# Altium PCB WaterSupplyController.PcbDoc (part 1 of 2) (continued)
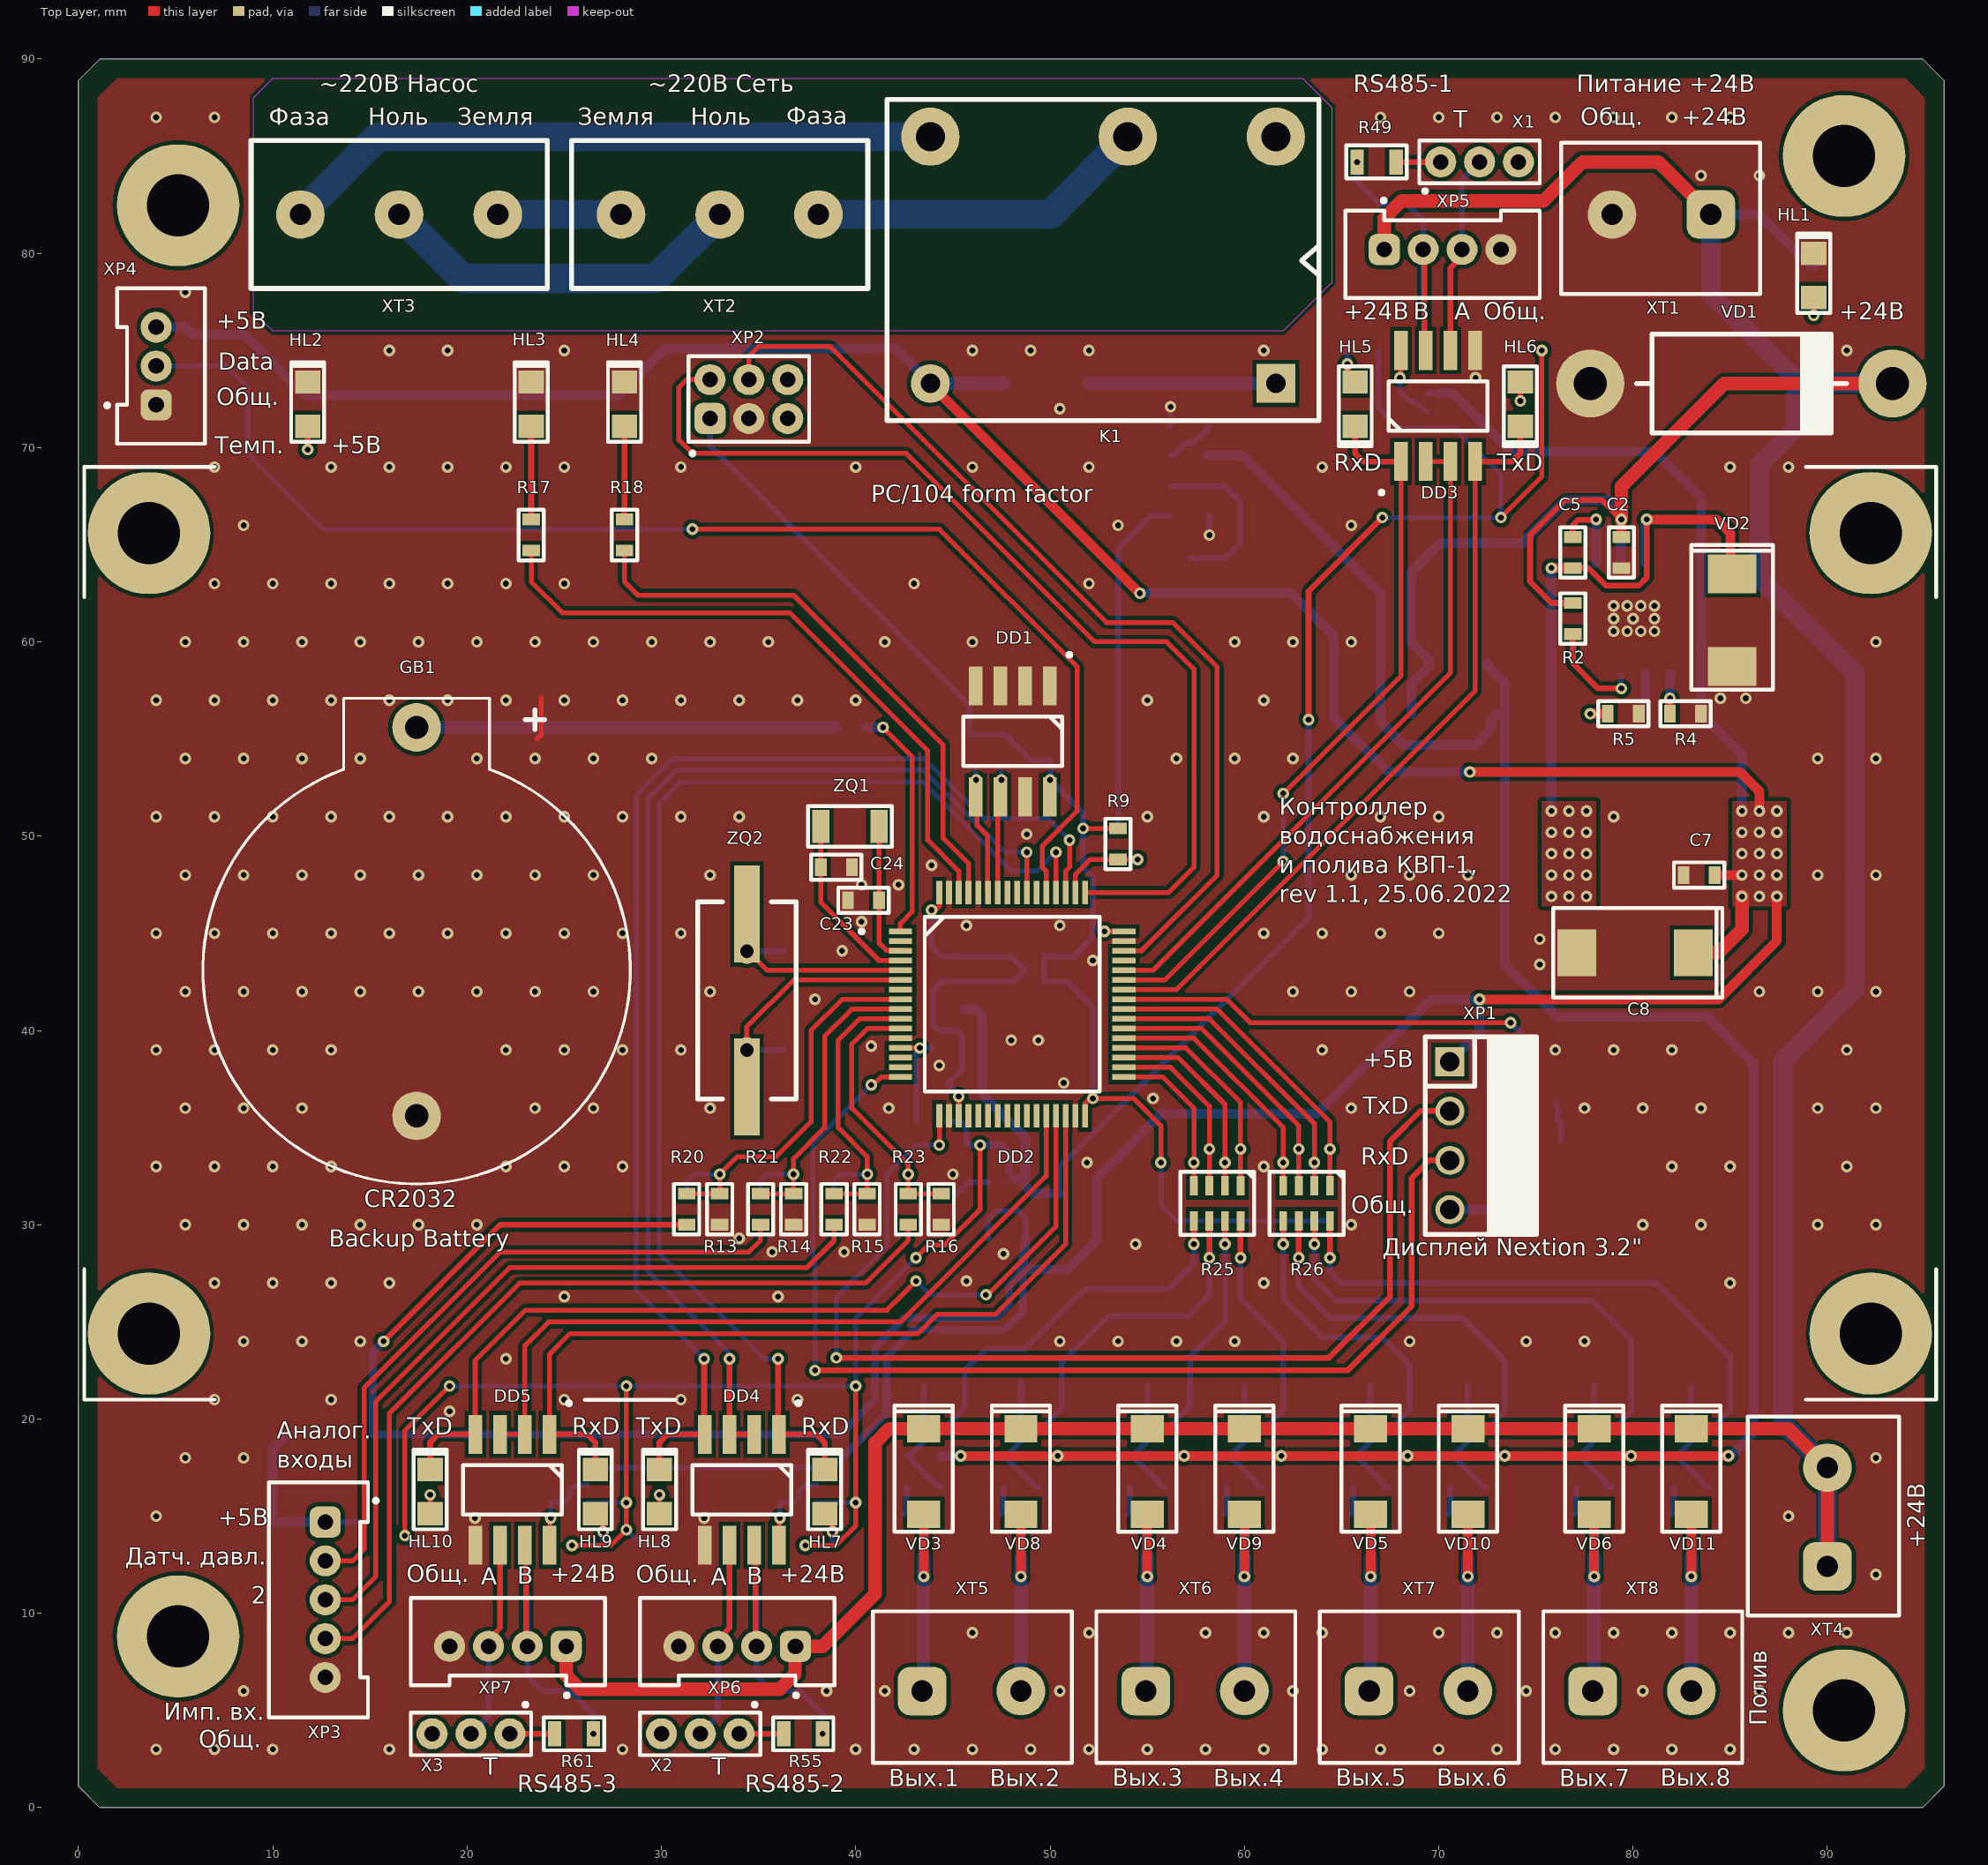
[diagram p0: Top Layer view]
## Components (designator, comment, footprint, x,y, rotation, side; value= is the part's Value field where it differs from the comment)
C1 "22.0x35V" TC7343-D 88.4,73.3 r180 bottom
C2 "C0603" 0603_CAP 79.4,65.4 r270 top value="µ10x50V X7R"
C3 "C0603" 0603_CAP 68.6,56.3 r0 bottom value="µ10x50V X7R"
C4 "C0603" 0603_CAP 73.4,56.3 r180 bottom value="µ10x50V X7R"
C5 "C0603" 0603_CAP 76.9,65.4 r270 top value="10nFx50V X7R"
C6 "C0603" 0603_CAP 80.3,56.3 r180 bottom value="1n8x50V X7R"
C7 "C0603" 0603_CAP 84.2,48 r180 top value="µ10x50V X7R"
C8 "100.0x16V" TC7343-D 83.1,44 r180 top
C9 "C0603" 0603_CAP 46.97,27.7 r0 bottom value="2µ2x10V X7R"
C10 "C0402" 0402_CAP 50.05,53.923 r90 bottom value="µ10x10V X7R"
C11 "C0603" 0603_CAP 45.07,31.6 r270 bottom value="10nFx50V X7R"
C12 "220.0x6.3V" TC6032-C 48.7,43.1 r270 bottom
C13 "C0402" 0402_CAP 52.2,37.3 r180 bottom value="µ10x10V X7R"
C14 "C0603" 0603_CAP 50.47,31.6 r270 bottom value="2µ2x10V X7R"
C15 "C0402" 0402_CAP 44.8,37.3 r180 bottom value="µ10x10V X7R"
C16 "C0402" 0402_CAP 52.2,45.4 r180 bottom value="µ10x10V X7R"
C17 "C0402" 0402_CAP 43.9,45.4 r0 bottom value="µ10x10V X7R"
C18 "C0402" 0402_CAP 43.9,39.1 r0 bottom value="µ10x10V X7R"
C19 "C0603" 0603_CAP 31.3,31.6 r270 bottom value="10nFx50V X7R"
C20 "C0603" 0603_CAP 35.1,31.6 r270 bottom value="10nFx50V X7R"
C21 "C0603" 0603_CAP 38.9,31.6 r270 bottom value="10nFx50V X7R"
C22 "C0603" 0603_CAP 42.7,31.6 r270 bottom value="10nFx50V X7R"
C23 "18pF" 0603_CAP 41.2,46.7 r180 top value="6.8pFx50V NP0"
C24 "18pF" 0603_CAP 38.2,48.4 r0 top value="6.8pFx50V NP0"
C25 "22pF" 0603_CAP 36.3,44.1 r0 bottom value="22pFx50V NP0"
C26 "22pF" 0603_CAP 36.3,39 r0 bottom value="22pFx50V NP0"
C27 "C0402" 0402_CAP 14.8,14.7 r270 bottom value="µ10x10V X7R"
C28 "10.0x16V" TC3216-A 10,14.7 r270 bottom
C29 "C0402" 0402_CAP 68,71.9 r90 bottom value="µ10x10V X7R"
C30 "C0402" 0402_CAP 36.1,16.6 r270 bottom value="µ10x10V X7R" (schematic designator C29)
C31 "C0402" 0402_CAP 24.3,16.6 r270 bottom value="µ10x10V X7R" (schematic designator C29)
DA1 "MP1591DN" HSOP8 78.095,64.057 r270 bottom
DA2 "L78L12ABUTR" SOT-89 71,60.65 r180 bottom
DA3 "TPS79333DBVR" SOT23-5 48.723,29.3 r90 bottom
DD1 "M24M01-DFMN6TP" SO8 49.99,57.738 r270 top
DD2 "STM32F103RCT6" LQFP64 42.3,45.1 r0 top
DD3 "ADM485AR" SO8 68.06,69.285 r90 top value=SN65HVD485EDR
DD4 "ADM485AR" SO8 36.04,19.215 r270 top value=SN65HVD485EDR (schematic designator DD3)
DD5 "ADM485AR" SO8 24.24,19.215 r270 top value=SN65HVD485EDR (schematic designator DD3)
GB1 "KLS5-CR2032-03 + Battery CR2032" CR2032P 17.4,55.6 r180 top value=KLS5-CR2032-03
HL1 "KP-2012SYC" KP-2012_YEL 89.3,77.725 r90 top
HL2 "KP-2012MGC" KP-2012_GRN 11.798,71.1 r90 top
HL3 "KP-2012SYC" KP-2012_YEL 23.3,71.1 r90 top
HL4 "KP-2012SYC" KP-2012_YEL 28.1,71.1 r90 top
HL5 "KP-2012MGC" KP-2012_GRN 65.7,73.375 r270 top
HL6 "KP-2012SYC" KP-2012_YEL 74.2,73.375 r270 top
HL7 "KP-2012MGC" KP-2012_GRN 38.4,15.125 r90 top (schematic designator HL5)
HL8 "KP-2012SYC" KP-2012_YEL 29.9,15.125 r90 top (schematic designator HL6)
HL9 "KP-2012MGC" KP-2012_GRN 26.6,15.125 r90 top (schematic designator HL5)
HL10 "KP-2012SYC" KP-2012_YEL 18.1,15.125 r90 top (schematic designator HL6)
K1 "TRV-5VDC-SC-CD" TRV-5VDC-SC-CD 61.62,73.3 r180 top
L1 "22µH CDRH124NP-220MC" CDRH124 76.7,49.1 r270 bottom
L2 "BLM18PG" 0603_BLM18 45.6,41.1 r180 bottom value="470R BLM18PG471SN1D"
L3 "BLM18PG" 0603_BLM18 44.7,35.3 r180 bottom value="470R BLM18PG471SN1D"
L4 "100µH LQH43CN101K" LQH43 10.7,19.2 r0 bottom
R1 "15k00" 0603_RES 89.3,77.725 r90 bottom
R2 "100k00" 0603_RES 76.9,62 r270 top
R3 "R0603" 0603_RES 81.9,56.3 r0 bottom value=30k10
R4 "R0603" 0603_RES 81.9,56.3 r0 top value=10k00
R5 "R0603" 0603_RES 78.7,56.3 r0 top value=8k20
R6 "R0603" 0603_RES 11.798,72.7 r270 bottom value=1k50
R7 "4k7 CAT16-472J4" CAT16#1 57.4,32 r270 bottom
R8 "4k7 CAT16-472J4" CAT16#1 62,32 r270 bottom
R9 "5k11" 0603_RES 53.5,48.8 r90 top
R10 "k10" 0603_RES 40.5,55.6 r180 bottom
R11 "R0603" 0603_RES 47.55,53.623 r90 bottom value=3k3
R12 "R0603" 0603_RES 45.85,53.623 r90 bottom value=3k3
R13 "R0603" 0603_RES 33,31.6 r270 top value=5k11
R14 "R0603" 0603_RES 36.8,31.6 r270 top value=5k11
R15 "R0603" 0603_RES 40.584,31.6 r270 top value=5k11
R16 "R0603" 0603_RES 44.4,31.6 r270 top value=5k11
R17 "R0603" 0603_RES 23.3,64.7 r90 top value=1k
R18 "R0603" 0603_RES 28.1,64.7 r90 top value=1k
R19 "k10" 0603_RES 74.376,36.285 r0 bottom
R20 "R0603" 0603_RES 31.3,30 r90 top value=6k19
R21 "R0603" 0603_RES 35.1,30 r90 top value=6k19
R22 "R0603" 0603_RES 38.884,30 r90 top value=6k19
R23 "R0603" 0603_RES 42.7,30 r90 top value=6k19
R24 "5k11" 0603_RES 53.5,48.8 r90 bottom
R25 "4k7 CAT16-472J4" CAT16#2 59.8,32 r270 top
R26 "4k7 CAT16-472J4" CAT16#1 64.4,32 r270 top
R27 "15k00" 0603_RES 58.1,69.6 r270 bottom
R28 "15k00" 0603_RES 44.4,18.1 r270 bottom
R29 "15k00" 0603_RES 55.9,18.1 r270 bottom
R30 "15k00" 0603_RES 67.4,18.1 r270 bottom
R31 "15k00" 0603_RES 78.9,18.1 r270 bottom
R32 "5k11" 0603_RES 56.2,69.6 r270 bottom
R33 "5k11" 0603_RES 42.6,16.5 r90 bottom
R34 "5k11" 0603_RES 54.1,16.5 r90 bottom
R35 "5k11" 0603_RES 65.6,16.5 r90 bottom
R36 "5k11" 0603_RES 77.1,16.5 r90 bottom
R37 "15k00" 0603_RES 49.4,18.1 r270 bottom
R38 "15k00" 0603_RES 60.9,18.1 r270 bottom
R39 "15k00" 0603_RES 72.4,18.1 r270 bottom
R40 "15k00" 0603_RES 83.9,18.1 r270 bottom
R41 "5k11" 0603_RES 47.6,16.5 r90 bottom
R42 "5k11" 0603_RES 59.1,16.5 r90 bottom
R43 "5k11" 0603_RES 70.6,16.5 r90 bottom
R44 "5k11" 0603_RES 82.1,16.5 r90 bottom
R45 "5k11" 0603_RES 6.1,74.2 r90 bottom
R46 "R0603" 0603_RES 66.9,75 r180 bottom value=1k
R47 "R0603" 0603_RES 74.2,75 r270 bottom value=1k
R48 "R0805" 0805_RES 66.85,84.692 r0 bottom value=240R00
R49 "R0805" 0805_RES 66.8,84.7 r0 top value=240R00
R50 "0R" 0402_RES 69.4,71.9 r270 bottom
R51 "0R" 0402_RES 69.4,71.9 r90 bottom
R52 "R0603" 0603_RES 37.2,13.5 r0 bottom value=1k (schematic designator R46)
R53 "R0603" 0603_RES 29.9,13.5 r90 bottom value=1k (schematic designator R47)
R54 "R0805" 0805_RES 37.25,3.808 r180 bottom value=240R00 (schematic designator R48)
R55 "R0805" 0805_RES 37.3,3.8 r180 top value=240R00 (schematic designator R49)
R56 "0R" 0402_RES 38,16.6 r270 bottom (schematic designator R50)
R57 "0R" 0402_RES 38,16.6 r90 bottom (schematic designator R51)
R58 "R0603" 0603_RES 25.4,13.5 r0 bottom value=1k (schematic designator R46)
R59 "R0603" 0603_RES 18.1,13.5 r90 bottom value=1k (schematic designator R47)
R60 "R0805" 0805_RES 25.45,3.808 r180 bottom value=240R00 (schematic designator R48)
R61 "R0805" 0805_RES 25.5,3.8 r180 top value=240R00 (schematic designator R49)
R62 "0R" 0402_RES 26.2,16.6 r270 bottom (schematic designator R50)
R63 "0R" 0402_RES 26.2,16.6 r90 bottom (schematic designator R51)
VD1 "P1.5KE24A" DO-201AD 77.8,73.3 r180 top
VD2 "STPS3L60U" SMB-STPS3L60U 85.1,58.737 r90 top
VD3 "ES1D" SMA 43.5,15.1 r90 top
VD4 "ES1D" SMA 55,15.1 r90 top
VD5 "ES1D" SMA 66.5,15.1 r90 top
VD6 "ES1D" SMA 78,15.1 r90 top
VD7 "ES1D" SMA 52,73.3 r180 bottom
VD8 "ES1D" SMA 48.5,15.1 r90 top
VD9 "ES1D" SMA 60,15.1 r90 top
VD10 "ES1D" SMA 71.5,15.1 r90 top
VD11 "ES1D" SMA 83,15.1 r90 top
VD12 "GSOT12-E3-08" SOT-23-(2) 66.99,76.484 r90 bottom value=GSOT12C
VD13 "GSOT12-E3-08" SOT-23-(2) 72.81,78.516 r270 bottom value=GSOT12C
VD14 "GSOT12-E3-08" SOT-23-(2) 37.11,12.016 r270 bottom value=GSOT12C (schematic designator VD12)
VD15 "GSOT12-E3-08" SOT-23-(2) 31.29,9.984 r90 bottom value=GSOT12C (schematic designator VD13)
VD16 "GSOT12-E3-08" SOT-23-(2) 25.31,12.016 r270 bottom value=GSOT12C (schematic designator VD12)
VD17 "GSOT12-E3-08" SOT-23-(2) 19.49,9.984 r90 bottom value=GSOT12C (schematic designator VD13)
VT1 "MMBF170Q-7-F" "SOT-23 MOSFET" 76.276,34.285 r270 bottom
VT2 "MMBF170Q-7-F" "SOT-23 MOSFET" 56.184,66.51 r0 bottom
VT3 "MMBF170Q-7-F" "SOT-23 MOSFET" 44.516,19.49 r180 bottom
VT4 "MMBF170Q-7-F" "SOT-23 MOSFET" 56.016,19.49 r180 bottom
VT5 "MMBF170Q-7-F" "SOT-23 MOSFET" 67.516,19.49 r180 bottom
VT6 "MMBF170Q-7-F" "SOT-23 MOSFET" 79.016,19.49 r180 bottom
VT7 "AO3400A" "SOT-23 MOSFET" 58.216,71.09 r180 bottom
VT8 "AO3400A" "SOT-23 MOSFET" 42.484,15.11 r0 bottom
VT9 "AO3400A" "SOT-23 MOSFET" 53.984,15.11 r0 bottom
VT10 "AO3400A" "SOT-23 MOSFET" 65.484,15.11 r0 bottom
VT11 "AO3400A" "SOT-23 MOSFET" 76.984,15.11 r0 bottom
VT12 "MMBF170Q-7-F" "SOT-23 MOSFET" 49.516,19.49 r180 bottom
VT13 "MMBF170Q-7-F" "SOT-23 MOSFET" 61.016,19.49 r180 bottom
VT14 "MMBF170Q-7-F" "SOT-23 MOSFET" 72.516,19.49 r180 bottom
VT15 "MMBF170Q-7-F" "SOT-23 MOSFET" 84.016,19.49 r180 bottom
VT16 "AO3400A" "SOT-23 MOSFET" 47.484,15.11 r0 bottom
VT17 "AO3400A" "SOT-23 MOSFET" 58.984,15.11 r0 bottom
VT18 "AO3400A" "SOT-23 MOSFET" 70.484,15.11 r0 bottom
VT19 "AO3400A" "SOT-23 MOSFET" 81.984,15.11 r0 bottom
X1 "DS1025-01-1*3 P8BV1" PLS2-3 70.1,84.7 r0 top
X2 "DS1025-01-1*3 P8BV1" PLS2-3 34,3.8 r180 top (schematic designator X1)
X3 "DS1025-01-1*3 P8BV1" PLS2-3 22.2,3.8 r180 top (schematic designator X1)
XP1 "DS1022-1*4RDF11-B" PLS-4RR 70.576,34.585 r270 top
XP2 "PLD2-6" PLD2-6 32.5,71.5 r0 top value=DS1025-05-2*3P8BV1-B
XP3 "PH-5" PH-5 12.7,14.7 r90 top value=B5B-PH-K-S(LF)(SN)
XP4 "PH-3" PH-3 4,72.2 r270 top value=B3B-PH-K-S(LF)(SN)
XP5 "PH-4" PH-4 67.2,80.2 r180 top value=B4B-PH-K-S(LF)(SN)
XP6 "PH-4" PH-4 36.9,8.3 r0 top value=B4B-PH-K-S(LF)(SN) (schematic designator XP5)
XP7 "PH-4" PH-4 25.1,8.3 r0 top value=B4B-PH-K-S(LF)(SN) (schematic designator XP5)
XT1 "XY301VA-5.0-2P-12" 301-021-12 84,82 r90 top
XT2 "XY301VA-5.0-3P-12" 301-031-12 38.08,82 r90 top
XT3 "XY301VA-5.0-3P-12" 301-031-12 11.42,82 r270 top
XT4 "XY301VA-5.0-2P-12" 301-021-12 90,12.42 r0 top
XT5 "XY301VA-5.0-2P-12" 301-021-12 43.42,6 r270 top
XT6 "XY301VA-5.0-2P-12" 301-021-12 54.92,6 r270 top
XT7 "XY301VA-5.0-2P-12" 301-021-12 66.42,6 r270 top
XT8 "XY301VA-5.0-2P-12" 301-021-12 77.92,6 r270 top
ZQ1 "NX3215SA-32.768K-STD-MUA-8" 1206_NX3215SA 39.7,50.5 r180 top value=32.768K
ZQ2 "12MHz" HC49SM 34.4,37.1 r270 top value="12MHz HC49SM"

## Footprints (in the part's own frame and the unit in brackets; to place one, negate y for a bottom-side part, rotate by r counter-clockwise, add the part's x,y. Pads: shape width x height; smd on the part's side, far side on the other; paste and mask are expansions set on the pad)
301-021-12 [mm] "XY301VA-5.0-2P-12, Клеммник винтовой, 2-контактный, 5мм, прямой"
  rrect50% 2.5x2.5 hole 1.1 mask+0.025: 1(0,0)
  round 2.5 hole 1.1 mask+0.025: 2(0,5.08)
  silkscreen extent -4.1,-2.54 3.7,7.7, body extent -4,-3.15 3.6,7.55, height 2.65
301-031-12 [mm] "XY301VA-5.0-3P-12, Клеммник винтовой, 3-контактный, 5мм, прямой"
  round 2.5 hole 1.1 mask+0.025: 1(0,0) 2(0,5.08) 3(0,10.16)
  silkscreen extent -3.81,-2.54 3.81,12.7, body extent -3.81,-2.47 3.79,13.13, height 10
0402_CAP [mm] "Конденсатор 0402(1005)"
  rect 0.4x0.6 smd mask+0.025: 1(0,0) 2(0.9,0)
  silkscreen extent -0.4,-0.5 1.3,0.5, body extent -0.05,-0.25 0.95,0.25, height 0.5
0402_RES [mm] "Резистор 0402(1005)"
  rect 0.4x0.6 smd mask+0.025: 1(0,0) 2(0.9,0)
  silkscreen extent -0.4,-0.5 1.3,0.5, body extent -0.05,-0.25 0.95,0.25, height 0.35
0603_BLM18 [mm] "Ферритовый фильтр 0603(1608)"
  rect 0.6x0.9 smd mask+0.025: 1(0,0) 2(1.6,0)
  silkscreen extent -0.5,-0.65 2.1,0.65, body extent 0,-0.4 1.6,0.4, height 0.8
0603_CAP [mm] "Конденсатор 0603(1608)"
  rect 0.6x0.9 smd mask+0.025: 1(0,0) 2(1.6,0)
  silkscreen extent -0.5,-0.65 2.1,0.65, body extent -0.05,-0.45 1.65,0.45, height 0.95
0603_RES [mm] "Резистор 0603(1608)"
  rect 0.6x0.9 smd mask+0.025: 1(0,0) 2(1.6,0)
  silkscreen extent -0.5,-0.65 2.1,0.65, body extent -0.05,-0.4 1.65,0.4, height 0.56
0805_RES [mm] "Резистор 0805(2012)"
  rect 0.7x1.3 smd mask+0.025: 1(-1,0) 2(1,0)
  silkscreen extent -1.55,-0.85 1.55,0.85, body extent -1,-0.63 1,0.62, height 0.45
1206_NX3215SA [mm] "Кварц. резонатор 1206(3216)"
  rect 0.9x1.7 smd mask+0.025: 1(-1.5,0) 2(1.5,0)
  silkscreen extent -2.15,-1.05 2.15,1.05, body extent -1.6,-0.75 1.6,0.75, height 0.8
CAT16#1 [mm]
  rect 1x0.4 smd mask+0.025: 1(0,0) 2(1.8,0) 3(0,-0.8) 4(1.8,-0.8) 5(0,-1.6) 6(1.8,-1.6) 7(0,-2.4) 8(1.8,-2.4)
  silkscreen extent -0.72,-3.1 2.52,0.7, body extent 0.1,-2.8 1.7,0.4, height 0.5
CAT16#2 [mm]
  rect 1x0.4 smd: 1(0,0) 2(1.8,0) 3(0,-0.8) 4(1.8,-0.8) 5(0,-1.6) 6(1.8,-1.6) 7(0,-2.4) 8(1.8,-2.4)
  silkscreen extent -0.72,-3.1 2.52,0.7, body extent 0.1,-2.8 1.7,0.4, height 0.5
CDRH124 [mm]
  rect 5.4x2.8 smd mask+0.025: 1(0,0) 2(0,-9.8)
  silkscreen extent -6.1,-10.9 6.1,1.1, body extent -6.15,-11.05 6.15,1.25, height 4.5
CR2032P [mm] "Top and Side Loading Coin Cell Holders"
  round 2.5 hole 1.2 mask+0.025: 1(0,0) 2(0,20)
  silkscreen extent -11,-1.5 11,23.5, body extent -11,-1 11,23.5, height 8.5
DO-201AD [mm]
  round 3.5 hole 1.7: 1(0,0) 2(-15.557,0)
  silkscreen extent -13.18,-2.54 -2.38,2.54, body extent -16.03,-2.81 0.53,2.79, height 7.6
HC49SM [mm]
  round 1.3 hole 0.7: 1(-1.9,0) 2(-6.98,0)
  rect 5x1.3 smd mask+0.025: 1(0,0) 2(-8.89,0)
  silkscreen extent -9.53,-2.54 0.64,2.54, body extent -10.9,-2.41 1.9,2.41, height 4.3
HSOP8 [mm]
  rect 2x0.7 smd mask+0.025: 1(0,0) 2(0,-1.27) 3(0,-2.54) 4(0,-3.81) 5(5.715,-3.81) 6(5.715,-2.54) 7(5.715,-1.27) 8(5.715,0)
  rect 2x3 smd mask+0.025: 9(2.857,-1.905)
  silkscreen extent -1.7,-4.45 4.13,1, body extent -0.14,-4.25 5.89,0.45, height 1.7
KP-2012_GRN [mm] "Светодиод 0805 Зелёный"
  rect 1.2x1.3 smd mask+0.025: 1(0,0) 2(2.275,0)
  silkscreen extent -0.8,-0.85 3.3,0.85, body extent 0.15,-0.62 2.15,0.62, height 1.1
KP-2012_YEL [mm] "Светодиод 0805 Жёлтый"
  rect 1.2x1.3 smd mask+0.025: 1(0,0) 2(2.275,0)
  silkscreen extent -0.8,-0.85 3.3,0.85, body extent 0.15,-0.62 2.15,0.62, height 1.1
LQFP64 [mm]
  rect 1.2x0.3 smd mask+0.02: 1(0,0) 2(0,-0.5) 3(0,-1) 4(0,-1.5) 5(0,-2) 6(0,-2.5) 7(0,-3) 8(0,-3.5) 9(0,-4) 10(0,-4.5) 11(0,-5) 12(0,-5.5) 13(0,-6) 14(0,-6.5) 15(0,-7) 16(0,-7.5) 33(11.5,-7.5) 34(11.5,-7) 35(11.5,-6.5) 36(11.5,-6) 37(11.5,-5.5) 38(11.5,-5) 39(11.5,-4.5) 40(11.5,-4) 41(11.5,-3.5) 42(11.5,-3) 43(11.5,-2.5) 44(11.5,-2) 45(11.5,-1.5) 46(11.5,-1) 47(11.5,-0.5) 48(11.5,0)
  rect 0.3x1.2 smd mask+0.02: 17(2,-9.5) 18(2.5,-9.5) 19(3,-9.5) 20(3.5,-9.5) 21(4,-9.5) 22(4.5,-9.5) 23(5,-9.5) 24(5.5,-9.5) 25(6,-9.5) 26(6.5,-9.5) 27(7,-9.5) 28(7.5,-9.5) 29(8,-9.5) 30(8.5,-9.5) 31(9,-9.5) 32(9.5,-9.5) 49(9.5,2) 50(9,2) 51(8.5,2) 52(8,2) 53(7.5,2) 54(7,2) 55(6.5,2) 56(6,2) 57(5.5,2) 58(5,2) 59(4.5,2) 60(4,2) 61(3.5,2) 62(3,2) 63(2.5,2) 64(2,2)
  silkscreen extent -2.1,-8.25 10.25,0.75, body extent -0.29,-9.76 11.74,2.26, height 1.75
LQH43 [mm]
  rect 2.5x3.5 smd mask+0.025: 1(0,0) 2(4.445,0)
  silkscreen extent -1.75,-2.22 6.19,2.22, body extent -0.2,-1.7 4.6,1.7, height 2.75
PH-3 [mm]
  rrect50% 1.6x1.6 hole 0.8 mask+0.025: 1(0,0)
  round 1.6 hole 0.8 mask+0.025: 2(-2,0) 3(-4,0)
  silkscreen extent -6,-2.62 2,2.5, body extent -5.95,-1.7 1.95,2.8, height 6
PH-4 [mm]
  rrect50% 1.6x1.6 hole 0.8 mask+0.025: 1(0,0)
  round 1.6 hole 0.8 mask+0.025: 2(-2,0) 3(-4,0) 4(-6,0)
  silkscreen extent -8,-2.62 2,2.5, body extent -7.95,-1.69 1.95,2.81, height 6
PH-5 [mm]
  rrect50% 1.6x1.6 hole 0.8 mask+0.025: 1(0,0)
  round 1.6 hole 0.8 mask+0.025: 2(-2,0) 3(-4,0) 4(-6,0) 5(-8,0)
  silkscreen extent -10.05,-2.7 2.05,2.9, body extent -9.95,-1.7 1.95,2.8, height 6
PLD2-6 [mm]
  rrect50% 1.6x1.6 hole 0.8 mask+0.025: 1(0,0)
  round 1.6 hole 0.8 mask+0.025: 2(0,2) 3(2,0) 4(2,2) 5(4,0) 6(4,2)
  silkscreen extent -1.1,-1.9 5.1,3.2, body extent -1,-1.1 5,3.1, height 5.5
PLS2-3 [mm]
  round 1.6 hole 0.8 mask+0.025: 1(0,0) 2(2,0) 3(4,0)
  silkscreen extent -1.1,-1.6 5.1,1.1, body extent -1,-1 5,1, height 6
PLS-4RR [mm]
  rect 1.5x1.5 hole 1: 1(-3.81,0)
  round 1.5 hole 1: 2(-1.27,0) 3(1.27,0) 4(3.81,0)
  silkscreen extent -5.08,-1.27 5.08,4.45, body extent -5.08,-0.32 5.08,9.81, height 3.01
SMA [mm]
  rect 1.4x1.7 smd mask+0.025: 1(0,0) 2(4.4,0)
  silkscreen extent -0.9,-1.5 5.6,1.5, body extent -0.54,-1.4 4.94,1.4, height 2.34
SMB-STPS3L60U [mm]
  rect 2x2.5 smd mask+0.025: 1(0,0) 2(4.763,0)
  silkscreen extent -1.2,-2.1 6.25,2.1, body extent -0.39,-1.97 5.19,1.97, height 2.6
SO8 [mm]
  rect 2x0.7 smd mask+0.025: 1(0,0) 2(0,-1.27) 3(0,-2.54) 4(0,-3.81) 5(5.715,-3.81) 6(5.715,-2.54) 7(5.715,-1.27) 8(5.715,0)
  silkscreen extent -1.7,-4.44 4.13,1.1, body extent -0.14,-4.41 5.98,0.6, height 1.5
SOT23-5 [mm]
  rrect50% 0.9x0.6 smd mask+0.025: 1(0,0)
  rect 0.9x0.6 smd mask+0.025: 2(0,-0.953) 3(0,-1.905) 4(2.857,-1.905) 5(2.857,0)
  silkscreen extent -0.95,-2.54 2.22,0.87, body extent 0,-2.4 2.8,0.5, height 1.09
"SOT-23 MOSFET" [mm]
  rect 1x1 smd: 1(0,0) 2(2.032,0) 3(1.016,2.21)
  silkscreen extent -0.51,0.46 2.54,1.73, body extent -0.53,-0.31 2.57,2.59, height 1.45
SOT-23-(2) [mm]
  rect 1x1 smd: 1(0,0) 2(2.032,0) 3(1.016,2.21)
  silkscreen extent -0.51,0.46 2.54,1.73, body extent -0.53,-0.31 2.57,2.59, height 1.45
SOT-89 [mm]
  rect 1x1.3 smd: 1(-1.5,-1.75) 3(1.5,-1.75)
  rect 1x2.2 smd: 2(0,-1.3)
  oct 2.5x3.2 smd: 2(0,1.25)
  silkscreen extent -2.25,-0.5 2.25,1.75, body extent -2.25,-1.75 2.25,2.25, height 1.51
TC3216-A [mm]
  rect 1.4x1.2 smd mask+0.025: 1(0,0) 2(2.3,0)
  silkscreen extent -1.2,-1 3.2,1, body extent -0.55,-0.9 2.85,0.9, height 1.7
TC6032-C [mm]
  rect 2.03x2.28 smd mask+0.025: 1(0,0) 2(5.1,0)
  silkscreen extent -1.53,-1.8 6.32,1.8, body extent -0.45,-1.68 5.65,1.67, height 2.7
TC7343-D [mm]
  rect 2x2.4 smd mask+0.025: 1(0,0) 2(6,0)
  silkscreen extent -1.5,-2.3 7.2,2.3, body extent -0.7,-2.23 6.7,2.22, height 3.01
TRV-5VDC-SC-CD [mm]
  rect 2x2 hole 1 mask+0.025: 1(0,0)
  round 2 hole 1 mask+0.025: 2(17.78,0)
  round 3 hole 1.5 mask+0.025: 3(17.78,-12.7) 4(7.62,-12.7) 5(0,-12.7)
  silkscreen extent -2.22,-14.61 20,1.91, body extent -9.42,-24.62 27.27,11.89, height 14.19

## Part data
C1: library part TC6032-D, "TC6032-D"
C8: library part TC7343-D, "TC7343-D"
C12: library part TC6032-C, "TC6032-C"
C23 C24 C25 C26: library part C0603, "C0603"
C28: library part TC3216-A, "TC3216-A"
DA2: Input Voltage=+8.5…30V, Output Current=100mA, Output Voltage=+12V, Temperature Stability=±4%, ID=19, Line Regulation=200mV, Part Number=L78L12ABUTR, Published=13.08.2015, Publisher="Andrew Danich", RMS Noise=40uV, Type=Микросхема
DD1: library part AT24C32AN-10SU, "Two-wire / Serial EEPROM / 32K (4096 x 8)"
DD2: library part STM32F103RXT
GB1: library part "Battery 2032", Voltage=3V, BOM=CR2032P, Category=Battery, ComponentLink1Description=Datasheet, Footprint Patch=connector.pcblib, Part Number="KLS5-CR2032-03 + Battery CR2032"
HL1 HL2 HL3 HL4 HL5 HL6 HL7 HL8 HL9 HL10: library part KP-2012
L1: library part CDRH124, "CDRH124"
L4: library part LQH43, "LQH43, 1812"
R1 R2 R9 R10 R19 R24 R27 R28 R29 R30 R31 R32 R33 R34 R35 R36 R37 R38 R39 R40 R41 R42 R43 R44 R45: library part R0603, "R0603"
R7 R8 R25 R26: library part CAT16, "CAT16-472J4"
R50 R51 R56 R57 R62 R63: library part R0402, "R0402"
VD1: library part P1.5KE_X_(A)
VD12 VD13 VD14 VD15 VD16 VD17: library part GSOT12C, "Single-line ESD protection device / ± 30 kV contact discharge / ± 30 kV air discharge"
VT1 VT2 VT3 VT4 VT5 VT6 VT12 VT13 VT14 VT15: library part MMBF170
VT7 VT8 VT9 VT10 VT11 VT16 VT17 VT18 VT19: library part IRLML2060TRPBF
X1 X2 X3: library part PLS2-3, "PLS2-3"
XP1: library part PLS-4R-Rectan, Limit Current=3A, Limit Voltage=250V, Resistance=15momh, Connector Type=Male, ID=70, Part Number=PLS-4R-Rectan, Pins=4, Pitch=2.54mm, Published=08.04.2020, Surface Finish=Gold, Type="Краевые контакты печатным способом"
XT1 XT4 XT5 XT6 XT7 XT8: library part 301-021-12, "Клеммник винтовой, 2-контактный, 5мм, прямой"
XT2 XT3: library part 301-031-12, "Клеммник винтовой, 3-контактный, 5мм, прямой"
ZQ2: library part HC49SM

## Free pads (board coordinates)
  round 6.3 hole 3.2 mask+0.025: MH1(5.13,82.47) MH2(5.13,8.81) MH3(90.86,85.01) MH4(90.86,5) MH5(3.632,65.6) MH6(3.632,24.4) MH7(92.232,65.6) MH8(92.232,24.4)

## Via types
v1: diameter 0.6, hole 0.3, Top Layer to Bottom Layer, 266 vias
v2: diameter 0.6, hole 0.3, Top Layer to Bottom Layer, tented both sides, 185 vias

## Nets (pads, with @x,y where several pads share a name; then routed paths per layer and width w, separated by ;. In a path a pad name is that pad's centre, name@x,y a point inside that pad or via, vN(x,y) a via of type N, cw(c..) or ccw(c..) an arc to the next point about the centre after c; other vN are vias at no path point)
+3V3: C14.1 DA3.5 L2.1 L3.1 R46.1 R47.1 R50.2 R52.1 R53.1 R56.2 R58.1 R59.1 R62.2 | length 163.7
  Top Layer w0.25: v2(16.8,14) 16.8,19.4 v2(19.1,21.7) ; v2(25.4,13.5) 27.4,13.5 v2(28.2,14.3) v2(28.2,15.7) v2(28.2,21.7) ; v2(37.4,13.5) 38.984,13.5 40,14.516 v2(40,21.7) ; v2(43.1,28.3) 43.766,28.966 44.576,28.966 46.4,30.79 v2(46.4,34.1) ; v2(73.2,66.4) 75.3,68.5 v2(75.3,75)
  Top Layer w0.3: v2(63.3,56) 63.3,62.6 v2(67.1,66.4)
  Bottom Layer w0.25: v2(19.1,21.7) v2(28.2,21.7) v2(40,21.7) 40,25.2 v2(43.1,28.3) ; R62.2@26.2,15.7 v2(28.2,15.7) ; v2(28.2,14.3) 29,13.5 R53.1@29.9,13.5 ; R52.1@37.2,13.5 v2(37.4,13.5) ; R56.2@38,15.7 v2(40,15.7) ; R46.1@66.9,75 66.9,72.04 67.94,71 R50.2@69.4,71 70.8,71 73.2,68.6 v2(73.2,66.4) v2(67.1,66.4) ; R47.1@74.2,75 v2(75.3,75)
  Bottom Layer w0.3: v2(16.8,14) 17.3,13.5 R59.1@18.1,13.5 ; L3.1@44.7,35.3 45.4,35.3 45.7,35 45.7,34.276 45.876,34.1 v2(46.4,34.1) ; C14.1@50.47,31.6 50.47,32.97 63.3,45.8 v2(63.3,56)
  Bottom Layer w0.4: v2(46.4,34.1) 47.5,34.1 47.9,33.7 47.9,32.65 48.193,32.358 DA3.5@48.673,32.358
  Bottom Layer w0.5: L2.1@45.6,41.1 45.61,41.09 46.2,41.09 46.5,40.79 46.5,36.7 48.723,34.477 DA3.5@48.723,32.308 ; DA3.5@48.673,32.358 DA3.5@48.723,32.308 ; C14.1@50.47,31.6 49.13,31.6 48.723,32.007 DA3.5@48.723,32.157 DA3.5@48.723,32.308
+3V3_MCU: C10.1 C12.1 C13.1 C15.1 C16.1 C17.1 DD1.8 DD2.19 DD2.32 DD2.48 DD2.64 L2.2 R7.2 R7.4 R7.6 R7.8 R8.2 R8.4 R8.6 R8.8 R9.2 R11.2 R12.2 XP2.1 | length 92.6
  Top Layer w0.25: v2@44.167,46.267 44.3,46.4 DD2.64@44.3,47.1 ; DD2.19@45.3,35.6 v2(45.3,36.6) ; DD1.8@49.99,52.023 50,52.033 v2(50,52.9) ; v2(51.7,50.4) R9.2@53.5,50.4 ; DD2.32@51.8,35.6 51.8,36.254 51.946,36.4 52.005,36.4 52.105,36.5 v2@52.146,36.5 ; v2(52.2,36.5) 54.3,36.5 55.7,35.1 v2(55.7,33.2) ; v2(52.8,45.1) DD2.48@53.8,45.1
  Bottom Layer w0.25: v2(55.7,33.2) 55.7,31.023 56.523,30.2 R7.2@57.4,30.2 R7.4@58.2,30.2 R7.6@59,30.2 R7.8@59.8,30.2 R8.8@64.4,30.2
  Bottom Layer w0.3: XP2.1@32.5,71.5 32.5,70.1 45.85,56.75 R12.2@45.85,55.223 R11.2@47.55,55.223 47.7,55.223 49.023,53.9 C10.1@50.027,53.9 ; v2(43.9,46.2) C17.1@43.9,45.4 43.9,44.3 44.4,43.8 48,43.8 C12.1@48.7,43.1 48.1,42.5 44.4,42.5 44,42.1 L2.2@44,41.1 44,40.3 44.3,40 45.2,40 45.5,39.7 45.5,38 44.95,37.45 44.85,37.45 44.8,37.4 C15.1@44.8,37.3 44.8,37.2 45.233,36.767 45.233,36.667 v2(45.3,36.6) ; C10.1@50.05,53.923 C10.1@50.027,53.9 ; v2(52.2,36.5) C13.1@52.2,37.3 52.2,41.2 50.9,42.5 49.712,42.5 49.7,42.512 49.7,43.824 49.724,43.8 51.2,43.8 52.2,44.8 C16.1@52.2,45.3 ; v2(52.8,45.1) 52.705,45.1 52.58,45.225 52.275,45.225 C16.1@52.2,45.3 ; C10.1@50.027,53.9 50.025,53.898 50.025,52.925 v2(50,52.9) 51.7,51.2 v2(51.7,50.4) 51.7,48.4 52.2,47.9 C16.1@52.2,45.4 C16.1@52.2,45.3
+5V: C7.1 C8.1 C9.2 DA3.1 DA3.3 K1.2 L1.2 L4.2 R3.2 R6.1 R20.1 R45.2 R51.2 R57.2 R63.2 VD7.2 XP1.1 XP4.3 | length 292.4
  Top Layer w0.3: v2(15.7,24) 21.7,30 R20.1@31.3,30
  Top Layer w0.5: K1.2@43.84,73.3 43.84,73.26 54.6,62.5 v2(54.625,62.5) ; v2(71.6,53.3) 85.5,53.3 86.5,52.3 v2(86.5,51.3) ; v2(72.1,41.6) 84.4,41.6 87.4,44.6 v2(87.4,46.9) ; C7.1@84.2,48 v2(85.6,48)
  Top Layer w0.7: C8.1@83.1,44 84.4,44 85.6,45.2 v2(85.6,46.9)
  Bottom Layer w0.3: R63.2@26.2,17.5 R57.2@38,17.5 ; DA3.3@46.818,29.3 46.818,30.318 47.2,30.7 48.393,30.7 48.753,30.341 DA3.1@48.753,29.3 ; R51.2@69.4,72.8 70.1,72.8
  Bottom Layer w0.4: v2(15.7,24) 15.145,23.445 L4.2@15.145,19.2 39.2,19.2 41,21 41,23.7 42.5,25.2 47.2,25.2 47.9,25.9 47.9,26.88 48.47,27.45 C9.2@48.47,27.6 ; R57.2@38,17.5 38.8,17.5 41.6,20.3 41.6,23.2 43,24.6 47.7,24.6 48.6,25.5 C9.2@48.6,27.45
  Bottom Layer w0.5: XP4.3@4,76.2 5.55,76.2 5.95,75.8 R45.2@6.1,75.8 8.548,75.8 11.648,72.7 R6.1@11.798,72.7 27.8,72.7 30.2,75.1 42.04,75.1 K1.2@43.84,73.3 ; C9.2@48.57,27.7 48.62,27.75 48.62,28.32 48.7,28.4 48.7,29.247 DA3.1@48.753,29.3 ; C9.2@48.6,27.7 50.9,27.7 52.4,29.2 52.4,32.4 55.7,35.7 63.7,35.7 69.6,41.6 v2(72.1,41.6) 72.1,39.919 XP1.1@70.576,38.395 ; v2(54.625,62.5) 54.644,62.519 54.715,62.519 54.73,62.534 62.366,62.534 64.6,60.3 64.6,56.1 67.4,53.3 v2(71.6,53.3) ; 70.1,72.8 70.7,72.8 73.7,69.8 81.1,69.8 83.5,67.4 R3.2@83.5,56.3 ; R3.2@83.65,56.15 85.6,54.2 v2(85.6,51.3)
  Bottom Layer w0.7: K1.2@43.84,73.3 VD7.2@47.6,73.3 ; R3.2@83.5,56.3 83.55,56.25 83.55,56.2 83.6,56.15 R3.2@83.65,56.15
  other v2: 86.5,46.9 86.5,48 87.4,48 85.6,49.1 86.5,49.1 87.4,49.1 85.6,50.2 86.5,50.2 87.4,50.2 87.4,51.3
+12V: C4.1 DA2.1 R27.1 R28.1 R29.1 R30.1 R31.1 R37.1 R38.1 R39.1 R40.1 | length 125.4
  Top Layer w0.5: v2(45.4,18.1) v2(50.4,18.1) v2(56.9,18.1) v2(61.9,18.1) v2(68.4,18.1) v2(73.4,18.1) v2(79.9,18.1) v2(84.9,18.1)
  Bottom Layer w0.5: R28.1@44.4,18.1 v2(45.4,18.1) ; R37.1@49.4,18.1 v2(50.4,18.1) ; R29.1@55.9,18.1 v2(56.9,18.1) ; R27.1@58.1,69.6 59.9,69.6 61.7,67.8 67,62.5 67,55.89 68.19,54.7 71.9,54.7 72.7,55.5 72.7,56 73,56.3 C4.1@73.4,56.3 ; R38.1@60.9,18.1 v2(61.9,18.1) ; R30.1@67.4,18.1 v2(68.4,18.1) ; R39.1@72.4,18.1 v2(73.4,18.1) ; DA2.1@72.5,58.9 72.5,58.75 73.4,57.85 C4.1@73.4,56.3 ; R31.1@78.9,18.1 v2(79.9,18.1) ; R40.1@83.9,18.1 v2(84.9,18.1) 85,18.1 86.2,19.3 86.2,38.3 83.8,40.7 76.1,40.7 73.4,43.4 C4.1@73.4,56.3
+24V: C1.1 C2.1 C3.1 DA1.2 DA2.3 R1.2 R2.1 VD1.2 VD3.2 VD4.2 VD5.2 VD6.2 VD8.2 VD9.2 VD10.2 VD11.2 XP5.1 XP6.1 XP7.1 XT1.1 XT4.1 XT4.2 | length 245.3
  Top Layer w0.3: R2.1@76.9,62 75.8,62 74.7,63.1 74.7,65.5 76.5,67.3 78.4,67.3 v2(79.4,66.3)
  Top Layer w0.5: C2.1@79.4,65.4 v2(79.4,66.3)
  Top Layer w0.7: XP7.1@25.1,8.3 25.1,6.8 25.8,6.1 36.1,6.1 36.875,6.875 36.875,8.275 XP6.1@36.9,8.3 38.3,8.3 41,11 41,18.784 41.716,19.5 VD3.2@43.5,19.5 VD8.2@48.5,19.5 VD4.2@55,19.5 VD9.2@60,19.5 VD5.2@66.5,19.5 VD10.2@71.5,19.5 VD6.2@78,19.5 VD11.2@83,19.5 88,19.5 XT4.2@90,17.5 XT4.1@90,12.42 ; XP5.1@67.2,80.2 67.2,81.8 68.1,82.7 75.4,82.7 77.4,84.7 81.3,84.7 XT1.1@84,82 ; v2(79.4,66.3) 79.4,68 84.7,73.3 VD1.2@93.357,73.3
  Bottom Layer w0.5: C3.1@68.6,56.3 68.6,57.85 69.5,58.75 DA2.3@69.5,58.9 69.5,59.05 68.6,59.95 68.6,63.6 70.1,65.1 74.3,65.1 76.5,67.3 78.857,67.3 79.35,66.807 79.35,66.377 79.381,66.346 79.381,66.254 79.365,66.238 DA1.2@79.365,64.057 ; XT1.1@84,82 86.475,82 89.15,79.325 R1.2@89.3,79.325
  Bottom Layer w1: XT1.1@84,82 84,77.9 88.4,73.5 C1.1@88.4,73.3 ; XT4.1@90,12.42 XT4.2@90,17.5 87.7,19.8 87.7,38.4 91.4,42.1 91.4,58.4 86.5,63.3 86.5,69.1 88.4,71 C1.1@88.4,73.3 ; VD1.2@93.357,73.3 C1.1@88.4,73.3
ADC_IN10_3: C19.1 DD2.8 R13.1 R20.2 | length 20.9
  Top Layer w0.25: R20.2@31.3,31.6 R13.1@33,31.6 v2(33,32.6) 33.9,33.5 35.9,33.5 37.7,35.3 37.7,40 39.3,41.6 DD2.8@42.3,41.6
  Bottom Layer w0.25: C19.1@31.3,31.6 31.3,32.2 31.7,32.6 v2(33,32.6)